# Altium PCB F103ZET6.PcbDoc (part 2 of 3) (continued)
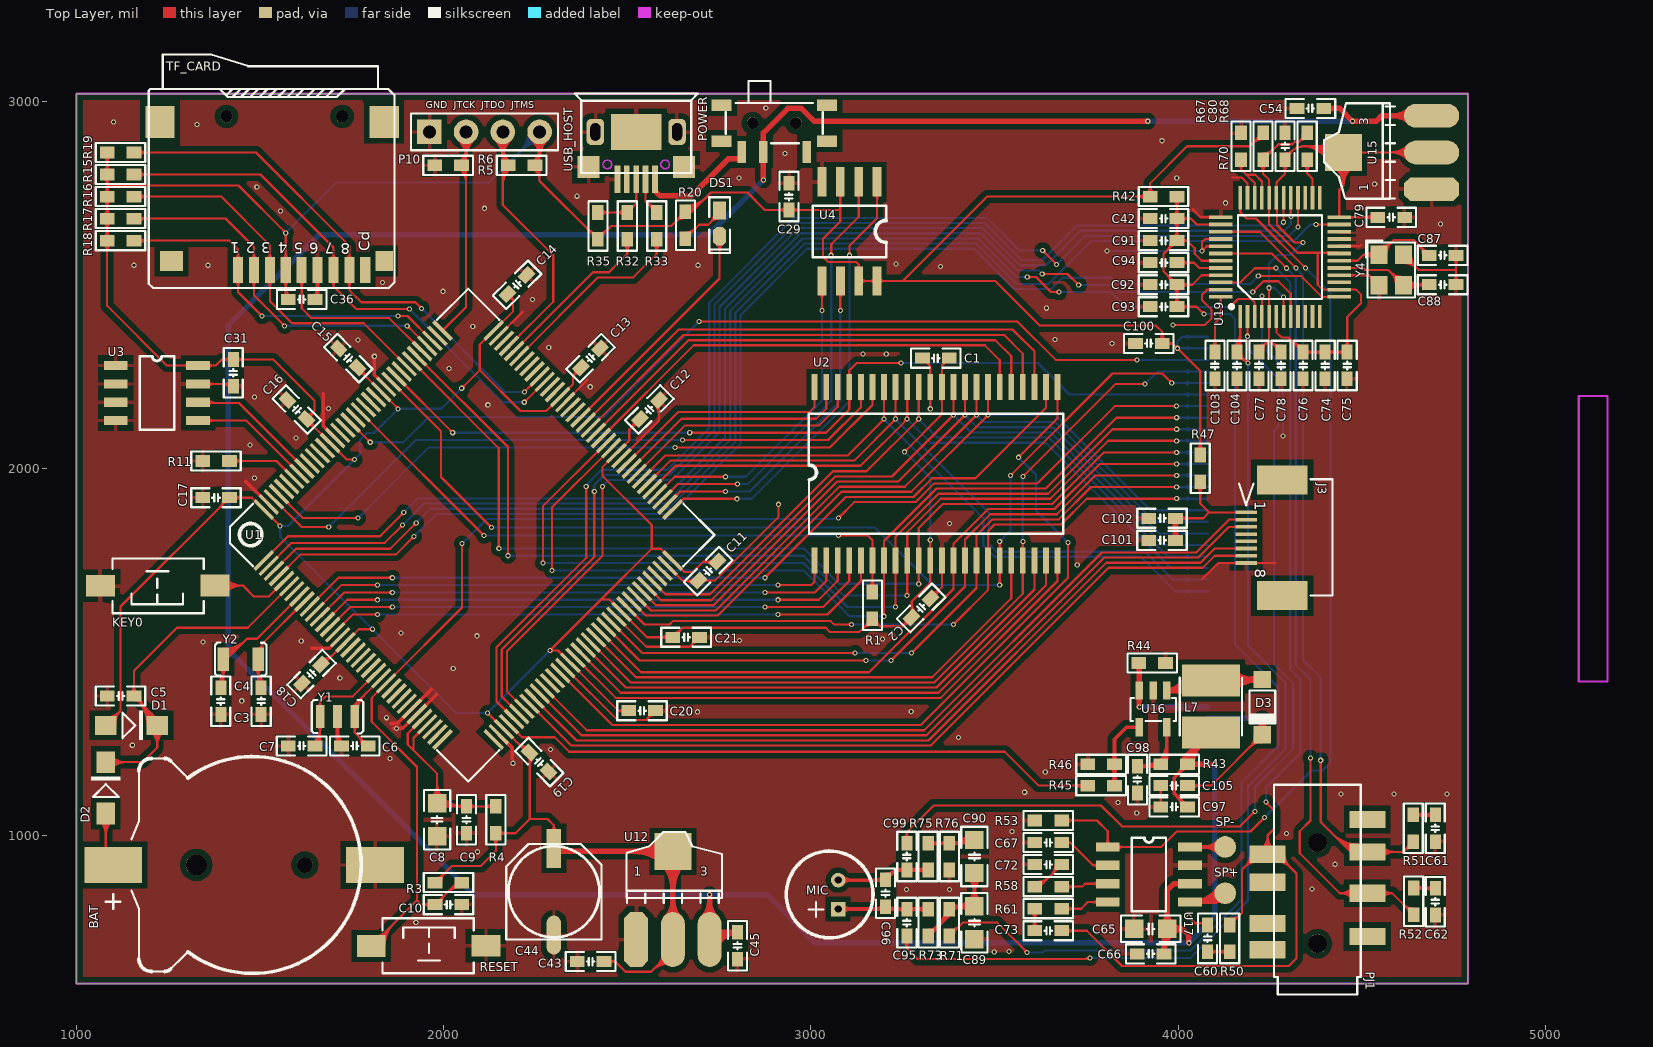
[diagram p0: Top Layer view]
## Nets (pads, with @x,y where several pads share a name; then routed paths per layer and width w, separated by ;. In a path a pad name is that pad's centre, name@x,y a point inside that pad or via, vN(x,y) a via of type N, cw(c..) or ccw(c..) an arc to the next point about the centre after c; other vN are vias at no path point) (continued)
JTRST: U1.134
KEY0: KEY0.1 U1.5 | length 451.4
  Top Layer w6: KEY0.1@1377.31,1680.79 1453.21,1680.79 1483,1651 1523.32,1651 U1.5@1565.41,1693.09 ; KEY0.1@1397.43,1670.51 cw(c1422.23,1645.71) 1422.23,1680.79 cw(c1422.23,1715.86) KEY0.1@1397.43,1691.06 ; KEY0.1@1401.67,1666.27 cw(c1436.71,1631.23) 1436.71,1680.79 cw(c1436.71,1730.34) KEY0.1@1401.67,1695.3 ; KEY0.1@1405.91,1662.03 cw(c1451.2,1616.74) 1451.2,1680.79 cw(c1451.2,1744.83) KEY0.1@1405.91,1699.54
KEY1: U1.35
LCD_BL: R45.2 U1.40 | length 1718.9
  Top Layer w6: U1.40@2177.86,1303.35 2213.21,1268 2302,1268 2342,1228 3528,1228 3620,1136 R45.2@3753.5,1136 ; R45.2@3740.23,1126.99 ccw(c3718.47,1105.22) 3718.47,1136 ccw(c3718.47,1166.78) R45.2@3740.23,1145.01 ; R45.2@3744.48,1131.23 ccw(c3732.96,1119.71) 3732.96,1136 ccw(c3732.96,1152.29) R45.2@3744.48,1140.77
LED1: DS1.2 U1.91 | length 737.5
  Top Layer w6: U1.91@2372.74,2138.51 2751.2,2516.97 DS1.2@2751.2,2632 ; DS1.2@2740.95,2614.24 cw(c2716.19,2589.49) 2751.2,2589.49 cw(c2786.21,2589.49) DS1.2@2761.45,2614.24 ; DS1.2@2745.19,2618.49 cw(c2730.68,2603.98) 2751.2,2603.98 cw(c2771.72,2603.98) DS1.2@2757.21,2618.49
LED_A: C105.1 D3.2 TFT1.35 | length 693.6
  Top Layer w6: C105.1@4025.5,1136 4090,1136 D3.2@4229,1275 ; C105.1@4038.99,1127.51 cw(c4059.47,1107.03) 4059.47,1136 cw(c4059.47,1164.97) C105.1@4038.99,1144.49 ; D3.2@4208.38,1275 cw(c4158.59,1275) 4193.8,1239.8 cw(c4229,1204.59) D3.2@4229,1254.38 ; D3.2@4214.38,1275 cw(c4179.08,1275) 4204.04,1250.04 cw(c4229,1225.08) D3.2@4229,1260.38
  Top Layer w15: D3.2@4217.6,1286.4 ccw(c4190.08,1313.92) 4229,1313.92 ccw(c4267.92,1313.92) D3.2@4240.4,1286.4 ; D3.2@4229,1275 v1(4229,1318.98)
  Bottom Layer w15: TFT1.35@4080.79,1318.98 v1(4229,1318.98)
LED_K: R44.2 TFT1.34 U16.3 | length 336.1
  Top Layer w15: R44.2@3886.67,1464.17 cw(c3868.97,1446.47) 3894,1446.47 ; v1(3894,1350.48) U16.3@3894,1395 R44.2@3894,1468.5 ; 3894,1453.71 cw(c3908.79,1453.71) R44.2@3898.33,1464.17
  Bottom Layer w15: v1(3894,1350.48) TFT1.34@4080.79,1350.48
NetBAT_1: BAT.1 D2.1 | length 268.6
  Top Layer w6: D2.1@1064.03,1040.09 cw(c1025.46,1001.52) 1080,1001.52 cw(c1134.54,1001.52) D2.1@1095.97,1040.09 ; D2.1@1068.27,1044.33 cw(c1039.95,1016.01) 1080,1016.01 cw(c1120.05,1016.01) D2.1@1091.73,1044.33 ; BAT.1@1080,940 D2.1@1080,1060
NetC5_2: C5.2 D1.2 D2.2 U1.6 | length 1612.9
  Top Layer w6: D2.2@1080,1200 1180,1200 1220,1240 D1.2@1220,1300 1220,1316.5 C5.2@1156.5,1380 1156.5,1448.5 1274,1566 1466.16,1566 U1.6@1579.33,1679.17 ; D2.2@1091.73,1188.27 cw(c1120.05,1159.95) 1120.05,1200 cw(c1120.05,1240.05) D2.2@1091.73,1211.73 ; D2.2@1095.97,1184.03 cw(c1134.54,1145.46) 1134.54,1200 cw(c1134.54,1254.54) D2.2@1095.97,1215.97 ; C5.2@1148.01,1388.49 ccw(c1127.53,1408.97) 1156.5,1408.97 ccw(c1185.47,1408.97) C5.2@1164.99,1388.49 ; C5.2@1161.5,1368 cw(c1161.5,1351.1) 1173.45,1363.05 ; C5.2@1163.05,1373.45 cw(c1089.59,1300) D1.2@1193.47,1300 ; C5.2@1167.5,1380 ccw(c1194.06,1380) 1175.28,1361.22 ; 1173.29,1363.21 cw(c1110.08,1300) D1.2@1199.47,1300 ; C5.2@1173.5,1380 ccw(c1214.54,1380) 1185.52,1350.98 ; 1183.53,1352.97 cw(c1130.57,1300) D1.2@1205.47,1300 ; 1193.78,1342.72 cw(c1151.05,1300) D1.2@1211.47,1300 ; 1204.02,1332.48 cw(c1171.54,1300) D1.2@1217.47,1300 ; D1.2@1204.03,1284.03 cw(c1165.46,1245.46) 1220,1245.46 cw(c1274.54,1245.46) D1.2@1235.97,1284.03 ; D1.2@1208.27,1288.27 cw(c1179.95,1259.95) 1220,1259.95 cw(c1260.05,1259.95) D1.2@1231.73,1288.27
NetC6_2: C6.2 U1.24 Y1.1 | length 432
  Top Layer w6: Y1.1@1751.77,1298.08 cw(c1736.73,1283.04) 1758,1283.04 cw(c1779.27,1283.04) Y1.1@1764.23,1298.08 ; Y1.1@1754.7,1351.86 ccw(c1752.73,1356.74) 1758,1356.74 ; Y1.1@1754.81,1343.68 cw(c1778.63,1343.68) 1761.79,1360.53 ; Y1.1@1760.81,1343.68 cw(c1799.11,1343.68) 1772.03,1370.77 ; Y1.1@1761.3,1351.86 cw(c1763.27,1356.74) 1758,1356.74 ; 1765.48,1273.02 cw(c1736.46,1244) C6.2@1777.5,1244 ; Y1.1@1766.81,1343.68 cw(c1819.6,1343.68) 1782.27,1381.01 ; 1775.72,1262.78 cw(c1756.94,1244) C6.2@1783.5,1244 ; 1777.55,1260.95 ccw(c1789.5,1272.9) C6.2@1789.5,1256 ; C6.2@1794.5,1244 1758,1280.5 Y1.1@1758,1324 1758,1356.74 ; U1.24@1829.88,1428.62 1758,1356.74
NetC7_2: C7.2 U1.23 Y1.3 | length 463.7
  Top Layer w6: C7.2@1646.01,1252.49 ccw(c1603.77,1294.73) Y1.3@1663.51,1294.73 ; C7.2@1650.26,1248.24 ccw(c1618.26,1280.24) 1663.51,1280.24 ; C7.2@1654.5,1244 ccw(c1632.74,1265.76) 1663.51,1265.76 ; Y1.3@1657.28,1298.08 cw(c1642.24,1283.04) 1663.51,1283.04 cw(c1684.78,1283.04) Y1.3@1669.74,1298.08 ; Y1.3@1657.38,1350.01 ccw(c1643.31,1364.51) 1663.51,1364.51 ; C7.2@1663.51,1258.01 Y1.3@1663.51,1324 1663.51,1364.51 ; Y1.3@1669.65,1350.01 cw(c1683.72,1364.51) 1663.51,1364.51 ; U1.23@1815.96,1442.54 1752.42,1379 1678,1379 1663.51,1364.51
NetC8_2: C8.2 C9.2 R4.1 U1.32 U1.33 | length 1046.4
  Top Layer w6: U1.32@1941.23,1317.26 1902,1278.03 1902,1248 1917.5,1232.5 ; U1.33@1955.15,1303.35 1917.5,1265.69 1917.5,1232.5 ; C8.2@1966.44,1103.56 ccw(c1928.89,1141.11) 1982,1141.11 ccw(c2035.11,1141.11) 1997.56,1103.56 ccw(c2055.63,1161.63) C9.2@2055.63,1079.5 ; C8.2@1970.69,1099.31 ccw(c1943.37,1126.63) 1982,1126.63 ccw(c2020.63,1126.63) 1993.31,1099.31 ccw(c2041.15,1147.15) 2041.15,1079.5 ; C8.2@1984.83,1090.83 ccw(c2012.18,1118.18) 2012.18,1079.5 ; C8.2@1989.07,1095.07 ccw(c2026.66,1132.66) 2026.66,1079.5 ; C8.2@1997.56,1072.44 cw(c2014.59,1055.41) 2014.59,1079.5 ; C9.2@2053.51,1071.01 ccw(c2033.03,1050.53) 2033.03,1079.5 ccw(c2033.03,1108.47) C9.2@2053.51,1087.99 ; C9.2@2070.49,1071.01 cw(c2090.97,1050.53) 2090.97,1079.5 cw(c2090.97,1108.47) C9.2@2070.49,1087.99 ; R4.1@2132.99,1070.49 ccw(c2111.22,1048.72) 2111.22,1079.5 ccw(c2111.22,1110.28) R4.1@2132.99,1088.51 ; R4.1@2137.23,1074.73 ccw(c2125.71,1063.21) 2125.71,1079.5 ccw(c2125.71,1095.79) R4.1@2137.23,1084.27 ; R4.1@2142,1079.5 C9.2@2062,1079.5 1990.5,1079.5 C8.2@1982,1088 1982,1168 1917.5,1232.5
NetC60_2: C60.2 R50.1 | length 179.4
  Top Layer w6: C60.2@4080,683.5 R50.1@4140,683.5 ; C60.2@4088.49,675.01 cw(c4108.97,654.53) 4108.97,683.5 cw(c4108.97,712.47) C60.2@4088.49,691.99 ; R50.1@4130.99,674.49 ccw(c4109.22,652.72) 4109.22,683.5 ccw(c4109.22,714.28) R50.1@4130.99,692.51 ; R50.1@4135.23,678.73 ccw(c4123.71,667.21) 4123.71,683.5 ccw(c4123.71,699.79) R50.1@4135.23,688.27
NetC61_2: C61.2 R51.1 | length 138.7
  Top Layer w10: R51.1@4640,1056.5 C61.2@4700,1056.5 ; R51.1@4647.6,1048.9 cw(c4665.95,1030.55) 4665.95,1056.5 cw(c4665.95,1082.45) R51.1@4647.6,1064.1 ; C61.2@4692.93,1049.43 ccw(c4675.86,1032.36) 4675.86,1056.5 ccw(c4675.86,1080.64) C61.2@4692.93,1063.57
NetC62_2: C62.2 R52.1 | length 191.5
  Top Layer w6: R52.1@4641,857.5 C62.2@4699,857.5 ; R52.1@4645.77,852.73 cw(c4657.29,841.21) 4657.29,857.5 cw(c4657.29,873.79) R52.1@4645.77,862.27 ; R52.1@4650.01,848.49 cw(c4671.78,826.72) 4671.78,857.5 cw(c4671.78,888.28) R52.1@4650.01,866.51 ; 4668.62,857.5 cw(c4668.62,825.12) C62.2@4691.51,848.01 ; 4673.44,857.5 ccw(c4673.44,883.06) C62.2@4691.51,864.99 ; 4683.1,857.5 cw(c4683.1,839.6) C62.2@4695.76,852.26
NetC67_2: C67.2 U17.2 | length 199.1
  Top Layer w6: C67.2@3682.5,981 3706,981 ; C67.2@3698.46,976.11 cw(c3706,972.74) 3706,981 ; C67.2@3698.46,985.89 ccw(c3706,989.26) 3706,981 ; U17.2@3780.64,913 ccw(c3768,902.7) 3768,919 ; U17.2@3780.64,925 cw(c3768,935.3) 3768,919 ; U17.2@3808,919 3768,919 ; 3706,981 3768,919
NetC72_2: C72.2 R58.1 | length 259.9
  Top Layer w6: R58.1@3609.5,861 3622.5,861 C72.2@3682.5,921 ; R58.1@3613.75,861.75 ccw(c3613.75,884.67) 3629.96,868.46 ; R58.1@3613.75,867.75 ccw(c3613.75,905.16) 3640.21,878.71 ; R58.1@3613.75,873.75 ccw(c3613.75,925.64) 3650.45,888.95 ; R58.1@3626.5,861 cw(c3636.16,861) R58.1@3629.33,867.83 ; 3653.48,891.98 ccw(c3624.46,921) C72.2@3665.5,921 ; 3663.72,902.22 ccw(c3644.94,921) C72.2@3671.5,921 ; 3665.55,904.05 cw(c3677.5,892.1) C72.2@3677.5,909
NetC73_2: C73.2 R61.1 | length 179.4
  Top Layer w6: R61.1@3600.49,791.99 cw(c3578.72,770.22) 3609.5,770.22 cw(c3640.28,770.22) R61.1@3618.51,791.99 ; C73.2@3601.01,749.49 ccw(c3580.53,769.97) 3609.5,769.97 ccw(c3638.47,769.97) C73.2@3617.99,749.49 ; R61.1@3604.73,796.23 cw(c3593.21,784.71) 3609.5,784.71 cw(c3625.79,784.71) R61.1@3614.27,796.23 ; C73.2@3609.5,741 R61.1@3609.5,801
NetC77_1: C77.1 C78.1 C79.1 C80.2 U15.2 U15.4 U19.5 U19.7 U19.24 U19.31 | length 3062.6
  Top Layer w6: C77.1@4220,2321.38 4247.56,2348.94 ; C77.1@4220,2333.5 ccw(c4220,2362.75) 4240.68,2342.07 ; C77.1@4232,2321.5 cw(c4260.69,2321.5) 4240.4,2341.79 ; v1@4244.73,2488.73 cw(c4237.9,2481.9) 4247.56,2481.9 cw(c4257.21,2481.9) v1@4250.39,2488.73 ; v1(4247.56,2491.56) U19.5@4247.56,2413.74 4247.56,2348.94 ; 4250.98,2345.52 ccw(c4280,2374.54) C78.1@4280,2333.5 ; 4261.22,2335.28 ccw(c4280,2354.06) C78.1@4280,2327.5 ; 4263.05,2333.45 cw(c4251.1,2321.5) C78.1@4268,2321.5 ; U19.31@4265.83,2708.67 cw(c4258.35,2701.19) 4268.93,2701.19 ; C78.1@4280,2316.5 4247.56,2348.94 ; C80.2@4282.51,2827.01 cw(c4262.03,2806.53) 4291,2806.53 cw(c4319.97,2806.53) C80.2@4299.49,2827.01 ; v1@4284.1,2463.1 cw(c4277.27,2456.27) 4286.93,2456.27 cw(c4296.58,2456.27) v1@4289.76,2463.1 ; U19.7@4286.93,2413.74 v1(4286.93,2465.93) ; C80.2@4291,2851.5 ccw(c4291,2867.19) C80.2@4302.1,2856.1 ; C80.2@4291,2857.5 ccw(c4291,2887.68) 4312.34,2866.34 ; C80.2@4303,2845.5 cw(c4330.76,2845.5) 4311.13,2865.13 ; v1@4337.17,2612.17 ccw(c4330.34,2605.34) 4330.34,2615 ccw(c4330.34,2624.66) v1@4337.17,2617.83 ; v1(4340,2615) 4316.54,2615 4268.93,2662.62 4268.93,2734.89 U19.31@4267.24,2736.58 4267.24,2778.24 4291,2802 C80.2@4291,2840.5 4291,2845 4314.5,2868.5 4316.36,2868.5 4322.8,2874.94 4334.44,2874.94 4336.5,2877 ; 4347.16,2877 cw(c4347.16,2797.68) U15.4@4415,2838.78 ; 4357.81,2877 cw(c4357.81,2804.13) U15.4@4420.13,2841.89 ; 4368.46,2877 cw(c4368.46,2810.58) U15.4@4425.26,2845 ; 4377.56,2877 ccw(c4377.56,2932.54) U15.4@4416.83,2893.27 ; 4379.11,2877 cw(c4379.11,2817.04) U15.4@4430.39,2848.11 ; 4389.76,2877 cw(c4389.76,2823.49) U15.4@4435.52,2851.22 ; 4392.04,2877 ccw(c4392.04,2918.05) U15.4@4421.07,2889.02 ; U15.4@4400.41,2877 cw(c4400.41,2829.95) U15.4@4440.65,2854.33 ; U15.4@4409.87,2835.67 ccw(c4336.5,2791.22) 4336.5,2877 ; U15.4@4423.22,2821.45 cw(c4387.46,2770.07) 4450.06,2770.07 ; U15.4@4426.64,2826.38 cw(c4395.45,2781.55) 4450.06,2781.55 cw(c4504.67,2781.55) U15.4@4473.48,2826.38 ; U15.4@4430.07,2831.3 cw(c4403.44,2793.04) 4450.06,2793.04 cw(c4496.68,2793.04) U15.4@4470.05,2831.3 ; U15.4@4433.09,2877 4336.5,2877 ; U15.4@4433.5,2836.23 cw(c4411.43,2804.52) 4450.06,2804.52 cw(c4488.69,2804.52) U15.4@4466.63,2836.23 ; U15.4@4476.91,2821.45 ccw(c4512.67,2770.07) 4450.06,2770.07 ; C79.1@4530.01,2674.94 ccw(c4509.53,2654.46) 4509.53,2683.43 ccw(c4509.53,2712.4) C79.1@4530.01,2691.91 ; C79.1@4543.5,2683.43 U19.24@4438.5,2683.43 4438.5,2758.5 4450.06,2770.06 ; U15.2@4626.7,2839.17 ccw(c4576.34,2788.81) 4576.34,2860.03 ccw(c4576.34,2931.25) U15.2@4626.7,2880.89 ; U15.2@4630.95,2843.41 ccw(c4590.83,2803.3) 4590.83,2860.03 ccw(c4590.83,2916.77) U15.2@4630.95,2876.65 ; U15.2@4635.19,2847.66 ccw(c4605.32,2817.78) 4605.32,2860.03 ccw(c4605.32,2902.28) U15.2@4635.19,2872.41 ; U15.2@4690.06,2860.03 U15.4@4450.06,2860.03 4450.06,2770.06
  Bottom Layer w6: v1@4244.73,2494.39 ccw(c4237.9,2501.21) 4247.56,2501.21 ccw(c4257.21,2501.21) 4250.39,2494.39 ccw(c4257.21,2501.21) 4257.21,2491.56 ccw(c4257.21,2481.9) v1@4250.39,2488.73 ; v1@4282.93,2465.93 ccw(c4273.27,2465.93) 4280.1,2472.76 ccw(c4286.93,2479.58) v1@4286.93,2469.93 ; v1(4286.93,2465.93) 4261.3,2491.56 v1(4247.56,2491.56) 4247.56,2557.56 4271,2581 4306,2581 v1(4340,2615) ; v1@4336,2615 cw(c4326.34,2615) 4333.17,2608.17 cw(c4340,2601.34) v1@4340,2611
NetC87_2: C87.2 U19.18 Y4.1 | length 608.1
  Top Layer w6: U19.18@4438.5,2565.32 4488.32,2565.32 4504.34,2581.34 ; Y4.1@4530.26,2568.67 ccw(c4504.34,2548.48) 4504.34,2581.34 ; Y4.1@4530.26,2594.01 cw(c4504.34,2614.19) 4504.34,2581.34 ; Y4.1@4535,2572.36 ccw(c4516.62,2558.04) 4516.62,2581.34 ccw(c4516.62,2604.63) Y4.1@4535,2590.32 ; Y4.1@4546.54,2591.93 ccw(c4546.54,2617.5) Y4.1@4564.61,2599.42 ; Y4.1@4546.54,2597.93 ccw(c4546.54,2637.98) 4574.86,2609.66 ; Y4.1@4546.54,2603.93 ccw(c4546.54,2658.47) 4585.1,2619.9 ; Y4.1@4561.16,2583.31 cw(c4591.71,2583.31) Y4.1@4570.1,2604.91 ; Y4.1@4567.16,2583.31 cw(c4612.19,2583.31) 4580.35,2615.15 ; 4654.48,2609.02 cw(c4625.46,2580) C87.2@4666.5,2580 ; 4664.72,2598.78 cw(c4645.94,2580) C87.2@4672.5,2580 ; 4666.55,2596.95 ccw(c4678.5,2608.9) C87.2@4678.5,2592 ; C87.2@4683.5,2580 4641.5,2622 4587.2,2622 Y4.1@4546.54,2581.34 4504.34,2581.34
NetC88_2: C88.2 U19.17 Y4.3 | length 611
  Top Layer w6: U19.17@4438.5,2545.63 4503.37,2545.63 4509,2540 4572.13,2540 Y4.3@4613.46,2498.66 C88.2@4682.16,2498.66 ; 4574.9,2537.23 ccw(c4613.46,2575.79) Y4.3@4613.46,2521.25 ; 4579.65,2532.47 cw(c4547.81,2500.63) Y4.3@4592.84,2500.63 ; 4585.14,2526.98 ccw(c4613.46,2555.3) Y4.3@4613.46,2515.25 ; Y4.3@4589.9,2522.23 cw(c4568.29,2500.63) Y4.3@4598.84,2500.63 ; Y4.3@4595.39,2516.74 ccw(c4613.46,2534.82) Y4.3@4613.46,2509.25 ; Y4.3@4623.8,2488.32 cw(c4648.77,2463.36) 4648.77,2498.66 cw(c4648.77,2533.96) Y4.3@4623.8,2509 ; Y4.3@4628.05,2484.08 cw(c4663.25,2448.88) 4663.25,2498.66 cw(c4663.25,2548.45) Y4.3@4628.05,2513.24 ; 4646.3,2498.66 ccw(c4646.3,2532.2) C88.2@4670.01,2508.49 ; 4652.76,2498.66 cw(c4652.76,2474.26) C88.2@4670.01,2491.51 ; 4660.78,2498.66 ccw(c4660.78,2517.72) C88.2@4674.26,2504.24
NetC89_2: C89.2 C90.2 R71.1 R73.2 | length 630.2
  Top Layer w10: R73.2@3319,726.5 3377,784.5 R71.1@3377,799.5 3385.5,808 C89.2@3445,808 C90.2@3445,898 ; R73.2@3319,741.5 ccw(c3319,777.71) 3344.61,752.11 ; R73.2@3329.75,730.75 cw(c3345.43,730.75) R73.2@3334.34,741.84 ; 3351.05,758.55 ccw(c3314.36,795.25) R71.1@3366.25,795.25 ; 3368.12,775.62 ccw(c3348.5,795.25) R71.1@3376.25,795.25 ; R71.1@3384.6,796.15 cw(c3413.2,767.55) 3413.2,808 ; R71.1@3384.6,811.35 ccw(c3392.69,819.44) R71.1@3392.69,808 ; C89.2@3430.86,793.86 ccw(c3396.72,759.72) 3396.72,808 ccw(c3396.72,856.28) 3430.86,822.14 ccw(c3396.72,856.28) 3445,856.28 ccw(c3493.28,856.28) C89.2@3459.14,822.14 ; C90.2@3430.86,883.86 cw(c3396.72,849.72) 3445,849.72 cw(c3493.28,849.72) C90.2@3459.14,883.86
NetC90_1: C90.1 R75.1 R76.1 | length 530.9
  Top Layer w6: R75.1@3319,979.5 R76.1@3377,979.5 ; R75.1@3323.77,974.73 cw(c3335.29,963.21) 3335.29,979.5 cw(c3335.29,995.79) R75.1@3323.77,984.27 ; R75.1@3328.01,970.49 cw(c3349.78,948.72) 3349.78,979.5 cw(c3349.78,1010.28) R75.1@3328.01,988.51 ; R76.1@3367.99,970.49 ccw(c3346.22,948.72) 3346.22,979.5 ccw(c3346.22,1010.28) R76.1@3367.99,988.51 ; R76.1@3372.23,974.73 ccw(c3360.71,963.21) 3360.71,979.5 ccw(c3360.71,995.79) R76.1@3372.23,984.27 ; R76.1@3381.77,974.73 cw(c3393.29,963.21) 3393.29,979.5 cw(c3393.29,995.79) R76.1@3381.77,984.27 ; R76.1@3386.01,970.49 cw(c3407.78,948.72) 3407.78,979.5 cw(c3407.78,1010.28) R76.1@3386.01,988.51 ; R76.1@3390.38,979.5 ccw(c3390.38,1036.64) C90.1@3433.05,998.64 ; 3403.76,979.5 ccw(c3403.76,1024.73) C90.1@3437.53,994.65 ; 3412.41,979.5 cw(c3412.41,955.41) C90.1@3429.44,972.44 ; 3417.13,979.5 ccw(c3417.13,1012.81) C90.1@3442.01,990.66 ; C90.1@3428.57,1002.63 cw(c3377,1048.55) R76.1@3377,979.5 ; C90.1@3436.5,979.5 R76.1@3377,979.5
NetC94_1: C94.1 U19.44 | length 170.6
  Top Layer w6: C94.1@3996.5,2560 4043,2560 4057.37,2545.63 U19.44@4115.67,2545.63 ; C94.1@4009.99,2551.51 cw(c4030.47,2531.03) 4030.47,2560 cw(c4030.47,2588.97) C94.1@4009.99,2568.49
NetC95_1: C95.1 C96.2 MIC.1 R73.1 | length 492.6
  Top Layer w10: MIC.1@3074,800 R73.1@3318.5,800 ; MIC.1@3084.38,789.62 cw(c3109.45,764.55) 3109.45,800 cw(c3109.45,835.45) MIC.1@3084.38,810.38 ; 3175.24,800 ccw(c3175.24,829.26) C96.2@3195.93,808.57 ; 3182.48,800 cw(c3182.48,780.98) C96.2@3195.93,794.43 ; C96.2@3210.07,794.43 cw(c3223.52,780.98) 3223.52,800 ; C96.2@3210.07,808.57 ccw(c3230.76,829.26) 3230.76,800 ; 3235.65,800 cw(c3235.65,774.15) C95.1@3253.93,792.43 ; 3238.07,800 ccw(c3238.07,822.43) C95.1@3253.93,806.57 ; C95.1@3268.07,792.43 cw(c3286.35,774.15) 3286.35,800 ; C95.1@3268.07,806.57 ccw(c3283.93,822.43) 3283.93,800 ; 3291.84,800 cw(c3291.84,772.34) R73.1@3311.4,791.9 ; 3294.26,800 ccw(c3294.26,824.24) R73.1@3311.4,807.1
NetC95_2: C95.2 C104.2 U19.1 | length 2997
  Top Layer w6: C95.2@3252.61,712.92 cw(c3233.16,693) 3261,693 ; C95.2@3261,726.5 3261,693 ; C95.2@3269.39,712.92 ccw(c3288.84,693) 3261,693 ; 3743.1,664 ccw(c3743.1,683.9) v1@3757.17,669.83 ; v1(3760,667) 3757,664 3290,664 3261,693 ; C104.2@4151.51,2329.99 ccw(c4109.74,2371.76) 4168.82,2371.76 ; C104.2@4155.76,2325.74 ccw(c4124.23,2357.27) 4168.82,2357.27 ; C104.2@4160,2299.5 cw(c4160,2258.46) v1@4189.02,2287.48 ; C104.2@4160,2305.5 cw(c4160,2278.94) 4178.78,2297.72 ; C104.2@4160,2316.5 v1(4190,2286.5) ; C104.2@4160,2321.5 ccw(c4138.71,2342.79) 4168.82,2342.79 ; C104.2@4168.82,2325.32 U19.1@4168.82,2413.74 ; C104.2@4172,2311.5 ccw(c4188.9,2311.5) 4176.95,2299.55 ; v1@4186,2286.5 ccw(c4176.34,2286.5) 4183.17,2293.33 ccw(c4190,2300.16) v1@4190,2290.5
  Bottom Layer w6: v1(3760,667) 4034,667 4190,823 4190,1133 4293,1236 4293,1415 4190,1518 v1(4190,2286.5) ; v1@3762.83,664.17 cw(c3769.66,657.34) 3769.66,667 cw(c3769.66,676.66) v1@3762.83,669.83 ; v1@4187.17,2283.67 cw(c4180.34,2276.84) 4190,2276.84 cw(c4199.66,2276.84) v1@4192.83,2283.67
NetC96_1: C96.1 C99.2 MIC.2 R75.2 | length 504.6
  Top Layer w10: MIC.2@3074,878.74 3202.24,878.74 C96.1@3203,879.5 3230,906.5 C99.2@3261,906.5 R75.2@3319,906.5 ; MIC.2@3084.38,868.36 cw(c3109.45,843.29) 3109.45,878.74 cw(c3109.45,914.19) MIC.2@3084.38,889.12 ; 3177.02,878.74 ccw(c3177.02,905.48) C96.1@3195.93,886.57 ; 3180.69,878.74 cw(c3180.69,857.19) C96.1@3195.93,872.43 ; C96.1@3203,894.5 ccw(c3203,930.71) 3228.61,905.11 ; C96.1@3213,884.5 cw(c3225.07,884.5) C96.1@3216.54,893.04 ; C99.2@3253.93,899.43 ccw(c3236.86,882.36) 3236.86,906.5 ccw(c3236.86,930.64) C99.2@3253.93,913.57 ; C99.2@3268.07,899.43 cw(c3285.14,882.36) 3285.14,906.5 cw(c3285.14,930.64) C99.2@3268.07,913.57 ; R75.2@3311.4,898.9 ccw(c3293.05,880.55) 3293.05,906.5 ccw(c3293.05,932.45) R75.2@3311.4,914.1
NetC98_2: C98.2 R43.1 U16.5 | length 377.1
  Top Layer w10: C98.2@3889,1189 3947.5,1189 R43.1@3952.5,1194 3969,1210.5 ; C98.2@3896.07,1181.93 cw(c3913.14,1164.86) 3913.14,1189 cw(c3913.14,1213.14) C98.2@3896.07,1196.07 ; 3910.23,1189 ccw(c3910.23,1232.02) R43.1@3940.65,1201.6 ; R43.1@3949.15,1201.6 ccw(c3901.23,1249.52) 3969,1249.52 ; R43.1@3956.22,1194.53 ccw(c3925.38,1225.38) 3969,1225.38 ; R43.1@3956.75,1204.75 ccw(c3956.75,1220.43) R43.1@3967.84,1209.34 ; U16.5@3965.46,1276.46 cw(c3956.93,1267.93) 3969,1267.93 cw(c3981.07,1267.93) U16.5@3972.54,1276.46 ; R43.1@3966.63,1198.23 cw(c3976.88,1202.62) 3969,1210.5 ; U16.5@3969,1295 3969,1210.5
NetC99_1: C99.1 U19.2 | length 2596
  Top Layer w6: C99.1@3253.64,993.98 ccw(c3241.99,1009) 3261,1009 ; C99.1@3261,979.5 3261,1009 ; C99.1@3268.36,993.98 cw(c3280.01,1009) 3261,1009 ; v1@4185.68,2362.33 ccw(c4178.85,2369.16) 4188.5,2369.16 ccw(c4198.16,2369.16) v1@4191.33,2362.33 ; v1(4188.5,2359.5) U19.2@4188.5,2413.74 ; v1@4205,1066 cw(c4195.34,1066) 4202.17,1059.17 cw(c4209,1052.34) v1@4209,1062 ; v1(4209,1066) 4168,1025 3847,1025 3790,1082 3334,1082 3261,1009
  Bottom Layer w6: v1@4185.68,2356.68 cw(c4178.85,2349.85) 4188.5,2349.85 cw(c4198.16,2349.85) v1@4191.33,2356.68 ; v1(4188.5,2359.5) 4188.5,2327.5 4273,2243 4273,2115 4261,2103 4261,1466.8 4313,1414.8 4313,1236.2 4209,1132.2 v1(4209,1066) ; v1@4206.17,1068.83 ccw(c4199.34,1075.66) 4209,1075.66 ccw(c4218.66,1075.66) v1@4211.83,1068.83
NetC101_2: C101.2 C102.2 J3.1 R47.1 | length 528.9
  Top Layer w6: C102.2@3992.5,1864 4068,1864 4084,1880 ; C102.2@4005.99,1855.51 cw(c4026.47,1835.03) 4026.47,1864 cw(c4026.47,1892.97) C102.2@4005.99,1872.49 ; R47.1@4050.99,1950.23 cw(c4029.22,1928.47) 4060,1928.47 cw(c4090.78,1928.47) R47.1@4069.01,1950.23 ; R47.1@4055.23,1954.48 cw(c4043.71,1942.96) 4060,1942.96 cw(c4076.29,1942.96) R47.1@4064.77,1954.48 ; R47.1@4060,1963.5 4060,1904 4084,1880 ; J3.1@4185,1880 4084,1880
  Top Layer w15: C101.2@3987.2,1809.3 ccw(c3974.39,1822.11) 3992.5,1822.11 ccw(c4010.61,1822.11) C101.2@3997.8,1809.3 ; C102.2@3987.2,1858.7 cw(c3974.39,1845.89) 3992.5,1845.89 cw(c4010.61,1845.89) C102.2@3997.8,1858.7 ; C101.2@3992.5,1804 C102.2@3992.5,1864
NetC103_2: C103.2 U19.48 | length 202.4
  Top Layer w6: C103.2@4091.51,2329.99 ccw(c4071.03,2350.47) 4100,2350.47 ccw(c4128.97,2350.47) C103.2@4108.49,2329.99 ; C103.2@4100,2316.5 4100,2395 4115.67,2410.67 U19.48@4115.67,2466.89
NetD3_1: D3.1 L7.1 U16.1 | length 684.1
  Top Layer w15: 3989.16,1395 ccw(c3989.16,1441.43) L7.1@4033.64,1428.1 ; 4009.31,1395 ccw(c4009.31,1435.39) L7.1@4048,1423.79 ; L7.1@4019.27,1432.41 cw(c3969,1447.47) U16.1@3969,1395 L7.1@4061.87,1395 ; L7.1@4091.87,1425 D3.1@4229,1425 ; L7.1@4139.15,1407.41 cw(c4181.6,1364.95) 4181.6,1425 ; L7.1@4139.15,1436.84 ccw(c4167.73,1465.42) L7.1@4167.73,1425 ; L7.1@4149.75,1396.81 cw(c4217.82,1328.74) D3.1@4217.82,1425 ; L7.1@4149.75,1447.45 ccw(c4203.94,1501.63) 4203.94,1425 ; D3.1@4217.6,1413.6 ccw(c4190.08,1386.08) 4190.08,1425 ccw(c4190.08,1463.92) D3.1@4217.6,1436.4
NetDS1_1: DS1.1 R20.2 | length 277.9
  Top Layer w6: R20.2@2658.22,2625.5 2695.73,2663 2720,2663 DS1.1@2751.2,2694.2 ; R20.2@2658.22,2636.5 ccw(c2658.22,2663.05) 2677,2644.27 ccw(c2691.48,2629.75) R20.2@2670.97,2629.75 ; R20.2@2658.22,2642.5 ccw(c2658.22,2683.54) 2687.24,2654.52 ; 2726.24,2669.24 ccw(c2700.98,2694.5) DS1.1@2736.7,2694.5 ; 2726.95,2669.95 cw(c2751.2,2645.7) DS1.1@2751.2,2680 ; DS1.1@2736.48,2679.48 ccw(c2721.46,2694.5) DS1.1@2742.7,2694.5 ; DS1.1@2737.19,2680.19 cw(c2751.2,2666.19) DS1.1@2751.2,2686
NetR32_1: R32.1 R35.1 USB_HOST.3 | length 403.2
  Top Layer w6: R35.1@2420,2696.5 R32.1@2500,2696.5 2524.22,2720.72 ; R35.1@2424.77,2691.73 cw(c2436.29,2680.21) 2436.29,2696.5 cw(c2436.29,2712.79) R35.1@2424.77,2701.27 ; R35.1@2429.01,2687.49 cw(c2450.78,2665.72) 2450.78,2696.5 cw(c2450.78,2727.28) R35.1@2429.01,2705.51 ; R32.1@2490.99,2687.49 ccw(c2469.22,2665.72) 2469.22,2696.5 ccw(c2469.22,2727.28) R32.1@2490.99,2705.51 ; R32.1@2495.23,2691.73 ccw(c2483.71,2680.21) 2483.71,2696.5 ccw(c2483.71,2712.79) R32.1@2495.23,2701.27 ; R32.1@2501,2707.43 ccw(c2503.56,2724.55) 2515.81,2712.31 ; R32.1@2501.89,2713.36 ccw(c2505.76,2739.18) 2524.22,2720.72 ; R32.1@2512.75,2700.75 cw(c2533.26,2700.75) 2518.76,2715.26 ; USB_HOST.3@2520.77,2753.67 cw(c2512.45,2745.35) 2524.22,2745.35 cw(c2535.99,2745.35) USB_HOST.3@2527.67,2753.67 ; USB_HOST.3@2524.22,2786.65 2524.22,2720.72
NetR33_1: R33.1 USB_HOST.2 | length 187.9
  Top Layer w6: USB_HOST.2@2546.36,2753.67 cw(c2538.04,2745.35) 2549.81,2745.35 cw(c2561.58,2745.35) USB_HOST.2@2553.26,2753.67 ; USB_HOST.2@2549.81,2786.65 2549.81,2726.69 R33.1@2580,2696.5 ; 2551.94,2724.56 ccw(c2578.69,2751.31) R33.1@2579.67,2713.5 ; 2561.24,2715.26 cw(c2546.74,2700.75) R33.1@2567.25,2700.75 ; 2561.82,2714.68 ccw(c2579.19,2732.06) R33.1@2579.82,2707.5
NetR45_1: R45.1 R46.1 U16.4 | length 348.7
  Top Layer w10: R45.1@3818.9,1143.6 ccw(c3800.55,1161.95) 3826.5,1161.95 ccw(c3852.45,1161.95) R45.1@3834.1,1143.6 ; R46.1@3818.9,1186.4 cw(c3800.55,1168.05) 3826.5,1168.05 cw(c3852.45,1168.05) R46.1@3834.1,1186.4 ; R46.1@3818.9,1201.6 ccw(c3800.55,1219.95) 3826.5,1219.95 ccw(c3852.45,1219.95) R46.1@3834.1,1201.6 ; R45.1@3826.5,1136 R46.1@3826.5,1194 3826.5,1262.5 3859,1295 U16.4@3894,1295 ; U16.4@3890.46,1291.46 ccw(c3881.93,1282.93) 3881.93,1295 ccw(c3881.93,1307.07) U16.4@3890.46,1298.54
NetR58_2: R58.2 U17.3 | length 238.8
  Top Layer w6: R58.2@3682.5,861 3739,861 3747,869 U17.3@3808,869 ; R58.2@3691.52,856.23 cw(c3703.04,844.71) 3703.04,861 cw(c3703.04,877.29) R58.2@3691.52,865.77 ; R58.2@3695.77,851.99 cw(c3717.53,830.22) 3717.53,861 cw(c3717.53,891.78) R58.2@3695.77,870.01 ; U17.3@3781.28,862.28 ccw(c3765.07,846.07) 3765.07,869 ccw(c3765.07,891.93) U17.3@3781.28,875.72
NetR61_2: R61.2 U17.4 | length 242.9
  Top Layer w6: R61.2@3682.5,801 3736,801 3754,819 U17.4@3808,819 ; R61.2@3691.52,796.23 cw(c3703.04,784.71) 3703.04,801 cw(c3703.04,817.29) R61.2@3691.52,805.77 ; R61.2@3695.77,791.99 cw(c3717.53,770.22) 3717.53,801 cw(c3717.53,831.78) R61.2@3695.77,810.01 ; U17.4@3781.28,812.28 ccw(c3765.07,796.07) 3765.07,819 ccw(c3765.07,841.93) U17.4@3781.28,825.72
NetR68_1: R68.1 U19.26 | length 183.9
  Top Layer w6: R68.1@4341.99,2827.23 cw(c4320.22,2805.47) 4351,2805.47 cw(c4381.78,2805.47) R68.1@4360.01,2827.23 ; R68.1@4346.23,2831.48 cw(c4334.71,2819.96) 4351,2819.96 cw(c4367.29,2819.96) R68.1@4355.77,2831.48 ; R68.1@4351,2840.5 4351,2803 4365.67,2788.33 U19.26@4365.67,2736.58
NetR70_2: R70.2 U19.33 U19.34 | length 241
  Top Layer w6: R70.2@4164.55,2825.25 cw(c4157.96,2814) 4171,2814 ; R70.2@4171,2840.5 4171,2814 ; R70.2@4177.45,2825.25 ccw(c4184.04,2814) 4171,2814 ; U19.34@4208.19,2736.58 4208.19,2776.81 4185.52,2799.48 ; U19.33@4227.87,2736.58 4227.87,2781.13 4209.52,2799.48 4185.52,2799.48 ; 4171,2814 4185.52,2799.48